# Altium PCB Audio-Streamer-Mainboard.PcbDoc (part 2 of 7)
Units mm, origin at the board's own origin, x right, y up, seen from the top; angles counter-clockwise.
Board outline 180 x 270 mm, 4 copper layers (Top Layer, VCC, GND, Bottom Layer), stack 1.62 mm thick; 653 components, 499 nets, 2423 pads, 1617 vias.
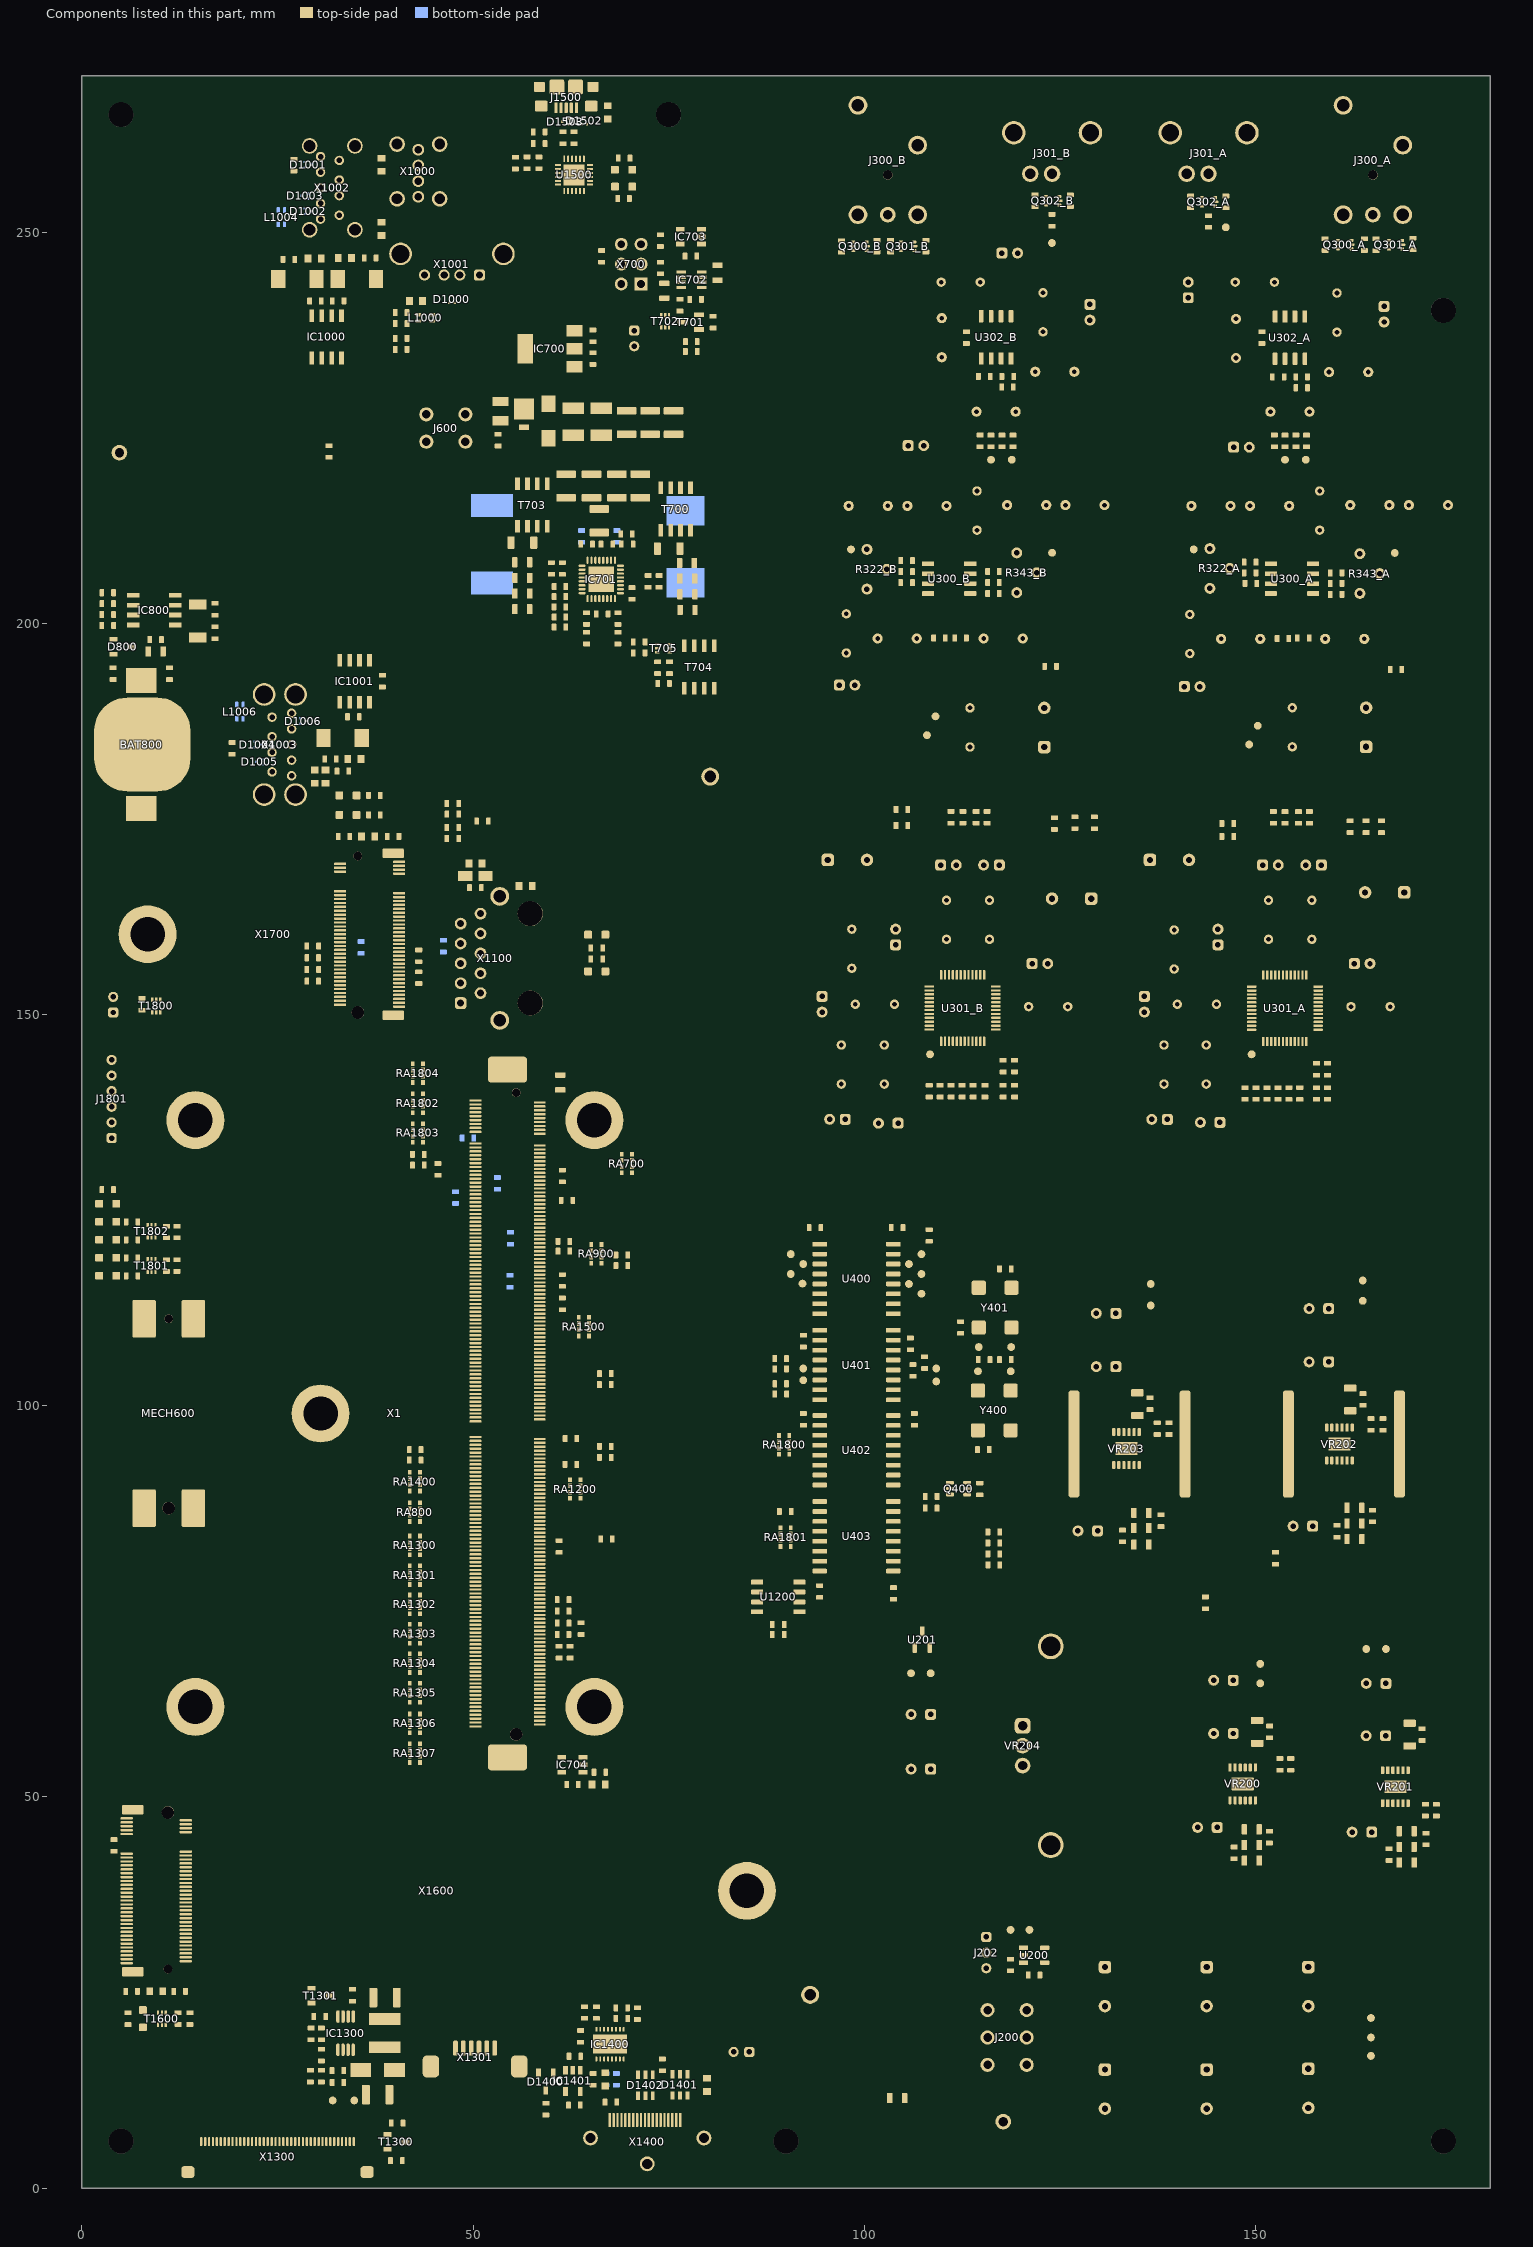
[diagram p4: the components of this part, seen from the top]

## Components (designator, comment, footprint, x,y, rotation, side; value= is the part's Value field where it differs from the comment) (continued)
TP302_A "Testpoint" TP 153.765,220.9 r90 top (schematic designator TP302)
TP302_B "Testpoint" TP 116.2,220.9 r90 top (schematic designator TP302)
TP303_A "Testpoint" TP 142.1,209.44 r90 top (schematic designator TP303)
TP303_B "Testpoint" TP 98.3,209.44 r90 top (schematic designator TP303)
TP304_A "Testpoint" TP 146.2,250.6 r90 top (schematic designator TP304)
TP304_B "Testpoint" TP 123.975,248.6 r90 top (schematic designator TP304)
TP305_A "Testpoint" TP 150.281,186.9 r90 top (schematic designator TP305)
TP305_B "Testpoint" TP 109.1,188.1 r90 top (schematic designator TP305)
TP306_A "Testpoint" TP 156.425,220.9 r90 top (schematic designator TP306)
TP306_B "Testpoint" TP 118.845,220.9 r90 top (schematic designator TP306)
TP307_A "Testpoint" TP 167.8,208.99 r90 top (schematic designator TP307)
TP307_B "Testpoint" TP 124,209 r90 top (schematic designator TP307)
TP400 "Testpoint" TP 90.6,119.37 r90 top
TP401 "Testpoint" TP 107.3,119.37 r90 top
TP402 "Testpoint" TP 92.2,118.1 r90 top
TP403 "Testpoint" TP 105.7,118.1 r90 top
TP404 "Testpoint" TP 90.6,116.83 r90 top
TP405 "Testpoint" TP 107.3,116.83 r90 top
TP406 "Testpoint" TP 92.1,115.6 r90 top
TP407 "Testpoint" TP 105.7,115.56 r90 top
TP408 "Testpoint" TP 107.3,114.3 r90 top
TP409 "Testpoint" TP 92.2,104.75 r90 top
TP410 "Testpoint" TP 109.2,104.75 r90 top
TP411 "Testpoint" TP 92.2,103.25 r90 top
TP412 "Testpoint" TP 109.2,103.1 r90 top
TP413 "Testpoint" TP 114.518,104.39 r180 top
TP414 "Testpoint" TP 118.708,104.39 r180 top
TP415 "Testpoint" TP 118.764,107.49 r0 top
TP416 "Testpoint" TP 114.625,107.49 r0 top
TP600 "5011" "T_TP-THT - EYE" 80.3,180.4 r0 top
TP601 "5011" "T_TP-THT - EYE" 93.075,24.7 r0 top
TP1300 "Testpoint" TP 34.8,11.205 r180 top
TP1301 "Testpoint" TP 32.05,11.205 r180 top
U200 "BD5250G-TR" SOT-23-5 121.69,29.76 r270 top
U201 "TLV810SDBZ" SOT-23 107.4,70.1 r0 top
U300_A "OPA1612" SOIC8 154.661,205.7 r0 top (schematic designator U300)
U300_B "OPA1612" SOIC8 110.84,205.7 r0 top (schematic designator U300)
U301_A "AK4493" LQFP48 151,146.55 r90 top (schematic designator U301)
U301_B "AK4493" LQFP48 109.819,146.568 r90 top (schematic designator U301)
U302_A "OPA1611" SOIC8 154.4,236.5 r90 top (schematic designator U302)
U302_B "OPA1611" SOIC8 116.84,236.54 r90 top (schematic designator U302)
U400 "Si8660BB-B-IU" SOIC16WIDE 94.3,120.64 r0 top
U401 "MAX14933" SOIC16WIDE 94.3,109.64 r0 top
U402 "Si8660BB-B-IU" SOIC16WIDE 94.3,98.75 r0 top
U403 "Si8660BB-B-IU" SOIC16WIDE 103.7,78.86 r180 top
U1200 "MAX9110" SOIC8 89,75.55 r180 top
U1500 "CP2105" QFN24 62.9,257.3 r270 top
VR200 "LT3045" MSOP12 146.736,49.548 r90 top
VR201 "LT3094" MSOP12 166.25,49.194 r90 top
VR202 "LT3045" MSOP12 159.1,92.995 r90 top
VR203 "LT3045" MSOP12 131.875,92.414 r90 top
VR204 "LD1086V33-DG" TO220-3 120.225,56.545 r270 top
X1 "CON-JAE-MM70-314-310B1-314-0.5mm" T_JAE_MM70-314-310B1 54.4,99 r270 top
X700 "TSW-103-01-G-D" T_Samtec_SSW-103-01-G-D 71.475,243.36 r90 top
X1000 "CON-Fci-73725-0110BLF" T_FCI_73725-0110BLF 43,272 r180 top
X1001 "CON-TE-1734366-3" 1734366-3 47.3,245.8 r180 top
X1002 "GSB4116341HR" GSB4116341HR 32,255.65 r270 top
X1003 "GSB412137CHR" GSB412137CHR 25.3,184.5 r90 top
X1100 "5-2301995-1" 5-2301995-4 57.3,157.167 r90 top
X1300 "XF2M-4015-1A" T_Omron_XF2M-4015-1A-MIRROR 25,4 r180 top
X1301 "52207-0633" T_MOLEX_52207-0633 50.25,17.9 r180 top
X1400 "0476591001" 0476591001 72.25,6.4 r0 top
X1600 "1-2199119-5" ? 9.5,38 r90 top
X1700 "2199119-8" 2199119-8-KEY-A-2230 36.65,160.25 r270 top
Y400 "C3391-22.5792" OSC_CRYSTEK 116.613,99.39 r90 top
Y401 "C3391-24.576" OSC_CRYSTEK 116.72,112.53 r270 top

## Footprints (in the part's own frame and the unit in brackets; to place one, negate y for a bottom-side part, rotate by r counter-clockwise, add the part's x,y. Pads: shape width x height; smd on the part's side, far side on the other; paste and mask are expansions set on the pad)
5-2301995-4 [mm] "Ethernet Connector vertiacal"
  rrect50% 1.5x1.5 hole 0.9: P1(-5.715,8.89)
  round 1.5 hole 0.9: P2(-4.445,6.35) P3(-3.175,8.89) P4(-1.905,6.35) P5(-0.635,8.89) P6(0.635,6.35) P7(1.905,8.89) P8(3.175,6.35) P9(4.445,8.89) P10(5.715,6.35)
  round 2.4 hole 1.6: S1(-7.925,3.89) S2(7.925,3.89)
  round 3.2 hole 3.2 unplated: ""(-5.715,0) ""(5.715,0)
  silkscreen extent -8.03,-5.85 8.03,10.85, body extent -8.03,-5.85 8.03,11.1, height 17
3266 [mm] "Bourns Trimpot"
  round 1.4 hole 0.7: 1(2.54,1.27) 2(0,-1.27) 3(-2.54,1.27)
  body extent -3.33,-2.2 3.38,2.3, height 7.93
1734366-3 [mm] "USB Header Vertical"
  rrect50% 1.428x1.428 hole 0.92: 1(-3.5,1.3)
  round 1.428 hole 0.92: 2(-1,1.3) 3(1,1.3) 4(3.5,1.3)
  round 2.9 hole 2.3: S1(-6.57,-1.41) S2(6.57,-1.41)
  silkscreen extent -6.6,-2.9 6.6,2.9, body extent -7.9,-3.56 7.9,3.56, height 15.03
1861933 [mm] "Phoenix Contacts 2 Pol - 3.5mm"
  round 1.8 hole 1.1: 1(0,0) 1(0,-5) 2(3.5,0) 2(3.5,-5)
  silkscreen extent -2.5,-8 6,3, body extent -2.5,-8 6,3, height 8
1861946 [mm] "Phoenix Contacts 3 Pol"
  round 1.8 hole 1.1: 1(0,0) 1(0,-5) 2(3.5,0) 2(3.5,-5) 3(7,0) 3(7,-5)
  silkscreen extent -2.5,-8 9.5,3, body extent -2.5,-8 9.5,3, height 8
2199119-8-KEY-A-2230 [mm] "M-2 Key A"
  rrect25% 1.2x2.75 smd: 0(-10.35,3.125) 0(10.35,3.125)
  rrect50% 0.3x1.55 smd: 1(-9.25,3.9) 2(-9,-3.65) 3(-8.75,3.9) 4(-8.5,-3.65) 5(-8.25,3.9) 6(-8,-3.65) 7(-7.75,3.9) 16(-5.5,-3.65) 17(-5.25,3.9) 18(-5,-3.65) 19(-4.75,3.9) 20(-4.5,-3.65) 21(-4.25,3.9) 22(-4,-3.65) 23(-3.75,3.9) 24(-3.5,-3.65) 25(-3.25,3.9) 26(-3,-3.65) 27(-2.75,3.9) 28(-2.5,-3.65) 29(-2.25,3.9) 30(-2,-3.65) 31(-1.75,3.9) 32(-1.5,-3.65) 33(-1.25,3.9) 34(-1,-3.65) 35(-0.75,3.9) 36(-0.5,-3.65) 37(-0.25,3.9) 38(0,-3.65) 39(0.25,3.9) 40(0.5,-3.65) 41(0.75,3.9) 42(1,-3.65) 43(1.25,3.9) 44(1.5,-3.65) 45(1.75,3.9) 46(2,-3.65) 47(2.25,3.9) 48(2.5,-3.65) 49(2.75,3.9) 50(3,-3.65) 51(3.25,3.9) 52(3.5,-3.65) 53(3.75,3.9) 54(4,-3.65) 55(4.25,3.9) 56(4.5,-3.65) 57(4.75,3.9) 58(5,-3.65) 59(5.25,3.9) 60(5.5,-3.65) 61(5.75,3.9) 62(6,-3.65) 63(6.25,3.9) 64(6.5,-3.65) 65(6.75,3.9) 66(7,-3.65) 67(7.25,3.9) 68(7.5,-3.65) 69(7.75,3.9) 70(8,-3.65) 71(8.25,3.9) 72(8.5,-3.65) 73(8.75,3.9) 74(9,-3.65) 75(9.25,3.9)
  round 1.1 hole 1.1 unplated: ""(-10,-1.375)
  round 7.4 / inner round 0 / far side round 0 hole 4.4 unplated: ""(0,-28.25)
  round 1.6 hole 1.6 unplated: ""(10,-1.375)
  silkscreen extent -11,-28.25 11,5.65, body extent -10.95,-31.25 10.95,4.5, height 3.09
0476591001 [mm] "HDMI Vertical"
  rrect50% 0.3x1.8 smd: 1(4.21,2.3) 2(3.71,2.3) 3(3.21,2.3) 4(2.71,2.3) 5(2.21,2.3) 6(1.71,2.3) 7(1.21,2.3) 8(0.71,2.3) 9(0.21,2.3) 10(-0.29,2.3) 11(-0.79,2.3) 12(-1.29,2.3) 13(-1.79,2.3) 14(-2.29,2.3) 15(-2.79,2.3) 16(-3.29,2.3) 17(-3.79,2.3) 18(-4.29,2.3) 19(-4.79,2.3)
  round 1.9 hole 1.3: S1(-7.25,0) S2(0,-3.3) S3(7.25,0)
  silkscreen extent -7.5,-4.7 7.5,2, body extent -8.75,-4.73 8.75,2.82, height 9.51
B2B-PH-K-S [mm] "JST PH plug"
  rrect50% 1.3x1.3 hole 0.7: 1(0,0)
  round 1.3 hole 0.7: 2(-2,0)
  silkscreen extent -3.95,-1.7 1.95,2.8, body extent -3.95,-1.7 1.95,2.8, height 6
B3B-PH-K-S [mm] "JST PH plug"
  rrect50% 1.3x1.3 hole 0.7: 1(0,0)
  round 1.3 hole 0.7: 2(-2,0) 3(-4,0)
  silkscreen extent -5.95,-1.7 1.95,2.8, body extent -5.95,-1.7 1.95,2.8, height 6
B6B-PH-K-S [mm] "JST PH plug"
  rrect50% 1.3x1.3 hole 0.7: 1(0,0)
  round 1.3 hole 0.7: 2(-2,0) 3(-4,0) 4(-6,0) 5(-8,0) 6(-10,0)
  silkscreen extent -11.95,-1.7 1.95,2.8, body extent -11.95,-1.7 1.95,2.8, height 6
CAP-5-11.5-2 [mm]
  round 1.4 hole 0.7: M(1,0)
  rrect50% 1.4x1.4 hole 0.7: P(-1,0)
  silkscreen extent -2.5,-2.5 2.5,2.5, body extent -2.5,-2.5 2.5,2.5, height 11
CAP-6.3-5.5-2.5 [mm]
  round 1.4 hole 0.7: M(1.25,0)
  rrect50% 1.4x1.4 hole 0.7: P(-1.25,0)
  silkscreen extent -3.15,-3.15 3.15,3.15, body extent -3.15,-3.15 3.15,3.15, height 5.5
CAP-6.3-11.2-2.5 [mm]
  round 1.4 hole 0.7: M(1.25,0)
  rrect50% 1.4x1.4 hole 0.7: P(-1.25,0)
  silkscreen extent -3.15,-3.15 3.15,3.15, body extent -3.15,-3.15 3.15,3.15, height 11.2
CAP-12.5-20-5 [mm]
  round 1.6 hole 0.8: M(2.5,0)
  rrect50% 1.6x1.6 hole 0.8: P(-2.5,0)
  silkscreen extent -6.25,-6.25 6.25,6.25, body extent -6.25,-6.25 6.25,6.25, height 20
CAP_WIMA_FKP2C [mm] "WIMA FKP2"
  round 1.3 hole 0.6: 1(-2.5,0) 2(2.5,0)
  silkscreen extent -3.6,-4.25 3.6,4.25, body extent -3.6,-4.25 3.6,4.25, height 10
CAP_WIMA_FKP2D [mm] "WIMA FKP2"
  round 1.3 hole 0.6: 1(-2.5,0) 2(2.5,0)
  silkscreen extent -3.6,-2.25 3.6,2.25, body extent -3.6,-2.25 3.6,2.25, height 6
CAP_WIMA_MKP4F [mm] "WIMA MKP4"
  round 1.2 hole 0.6: 1(-2.5,0) 2(2.5,0)
  silkscreen extent -3.6,-2.5 3.6,2.5, body extent -3.6,-2.5 3.6,2.5, height 10
CAPMP6032X280N [mm] "Cap Polarized 6032"
  rect 1.8x2.3 smd: 1(-2.45,0) 2(2.45,0)
  silkscreen extent -3.86,-1.6 -1.25,1.6, body extent -3.15,-1.75 3.15,1.75, height 2.8
DA-T263-201E [mm] "SMD Heatsink Ohmite"
  rrect50% 1.4x13.7 smd: 0(-7.1,0) 0(7.1,0)
  body extent -12.95,-6.35 12.95,6.35, height 12.56
DFN16 [mm]
  rrect50% 0.25x0.6 smd: 1(-1.75,-1.895) 2(-1.25,-1.895) 3(-0.75,-1.895) 4(-0.25,-1.895) 5(0.25,-1.895) 6(0.75,-1.895) 7(1.25,-1.895) 8(1.75,-1.895) 9(1.75,1.895) 10(1.25,1.895) 11(0.75,1.895) 12(0.25,1.895) 13(-0.25,1.895) 14(-0.75,1.895) 15(-1.25,1.895) 16(-1.75,1.895)
  rrect5% 4.35x2.45 smd: P(0,0)
  silkscreen extent -3.1,-2 2.5,2, body extent -2.5,-2 2.5,2, height 0.9
FA-T220-38E [mm] "Heatsink"
  round 3.3 hole 2.5: 0(-12.7,0) 0(12.7,0)
  silkscreen extent -8.5,-0.75 8.5,0.75, body extent -20.8,-12.45 20.8,12.45, height 38.14
GSB412137CHR [mm] "USB 3.1 vertical"
  round 1.208 hole 0.7: 1(3.5,1) 2(1,1) 3(-1,1) 4(-3.5,1) 5(-4,-1.5) 6(-2,-1.5) 7(0,-1.5) 8(2,-1.5) 9(4,-1.5)
  round 2.9 hole 2.3: S1(-6.4,2) S2(-6.4,-2) S3(6.4,-2) S4(6.4,2)
  silkscreen extent -7.4,-3.7 7.4,3.7, body extent -7.4,-3.7 7.4,3.7, height 14.48
GSB4116341HR [mm] "USB 3.1 side"
  round 1.208 hole 0.7: 1(3.5,0.9) 2(1,0.9) 3(-1,0.9) 4(-3.5,0.9) 5(-4,-1.5) 6(-2,-1.5) 7(0,-1.5) 8(2,-1.5) 9(4,-1.5)
  round 2 hole 1.5: S1(-5.35,2.9) S2(-5.35,-2.9) S3(5.35,-2.9) S4(5.35,2.9)
  silkscreen extent -9.3,-3.1 7.1,3.1, body extent -17.1,-3.75 7.1,3.75, height 14.6
HEADER_USB [mm]
  rrect50% 0.4x1.35 smd: 1(-1.3,2.675) 2(-0.65,2.675) 3(0,2.675) 4(0.65,2.675) 5(1.3,2.675)
  rrect25% 1.45x1.3 smd: 6(-3.425,0) 6(3.425,0)
  rrect25% 1.6x1.4 smd: 6(-3.2,2.45) 6(3.2,2.45)
  rrect25% 1.9x1.9 smd: 6(-1.2,0) 6(1.2,0)
  silkscreen extent -3.75,-1.35 3.75,2.85, body extent -4,-2.75 4,2.85, height 2.79
INDC1608X95N [mm]
  rect 0.87x1 smd: 1(-0.84,0) 2(0.84,0)
  body extent -0.87,-0.48 0.87,0.48, height 0.6
LED [mm]
  rrect25% 1x1 smd: A(-1.1,0) C(1.1,0)
  silkscreen extent -0.45,-0.7 1.35,0.9, body extent -1.15,-0.7 1.15,0.7, height 1.2
LQFP48 [mm]
  rrect50% 1.2x0.3 smd: 1(0,0) 2(0,-0.5) 3(0,-1) 4(0,-1.5) 5(0,-2) 6(0,-2.5) 7(0,-3) 8(0,-3.5) 9(0,-4) 10(0,-4.5) 11(0,-5) 12(0,-5.5) 25(8.5,-5.5) 26(8.5,-5) 27(8.5,-4.5) 28(8.5,-4) 29(8.5,-3.5) 30(8.5,-3) 31(8.5,-2.5) 32(8.5,-2) 33(8.5,-1.5) 34(8.5,-1) 35(8.5,-0.5) 36(8.5,0)
  rrect50% 0.3x1.2 smd: 13(1.5,-7) 14(2,-7) 15(2.5,-7) 16(3,-7) 17(3.5,-7) 18(4,-7) 19(4.5,-7) 20(5,-7) 21(5.5,-7) 22(6,-7) 23(6.5,-7) 24(7,-7) 37(7,1.5) 38(6.5,1.5) 39(6,1.5) 40(5.5,1.5) 41(5,1.5) 42(4.5,1.5) 43(4,1.5) 44(3.5,1.5) 45(3,1.5) 46(2.5,1.5) 47(2,1.5) 48(1.5,1.5)
  silkscreen extent 0.2,-6.25 7.75,1.3, body extent -0.25,-7.25 8.75,1.76, height 1.5
MSOP12 [mm]
  rrect50% 1x0.42 smd: 1(0,0) 2(0,-0.65) 3(0,-1.3) 4(0,-1.95) 5(0,-2.6) 6(0,-3.25) 7(4.211,-3.25) 8(4.211,-2.6) 9(4.211,-1.95) 10(4.211,-1.3) 11(4.211,-0.65) 12(4.211,0)
  rrect10% 1.651x2.845 smd: 13(2.105,-1.625)
  silkscreen extent -0.1,-3.62 3.61,0.8, body extent -0.35,-3.64 4.55,0.4, height 1.09
NC3MBH [mm] "XLR Connector"
  round 2.4 hole 1.6: 0(-3.81,-3.81) 0(3.81,-8.89) 1(3.81,-17.78) 2(-3.81,-17.78)
  round 2 hole 1.2: 3(0,-17.78)
  round 1.2 hole 1.2 unplated: ""(0,-12.7)
  silkscreen extent -11.5,-19.5 11.5,-0.1, body extent -12.5,-19.5 12.85,2.7, height 25.4
OSC_CRYSTEK [mm]
  rrect25% 1.8x1.8 smd: 1(-2.54,-2.095) 2(2.54,-2.095) 3(2.54,2.095) 4(-2.54,2.095)
  silkscreen extent -4.3,-2.6 3.6,2.6, body extent -3.6,-2.6 3.6,2.6, height 1.8
QFN24 [mm]
  rrect50% 0.8x0.25 smd: 1(-2.05,1.25) 2(-2.05,0.75) 3(-2.05,0.25) 4(-2.05,-0.25) 5(-2.05,-0.75) 6(-2.05,-1.25) 13(2.05,-1.25) 14(2.05,-0.75) 15(2.05,-0.25) 16(2.05,0.25) 17(2.05,0.75) 18(2.05,1.25)
  rrect50% 0.25x0.8 smd: 7(-1.25,-2.05) 8(-0.75,-2.05) 9(-0.25,-2.05) 10(0.25,-2.05) 11(0.75,-2.05) 12(1.25,-2.05) 19(1.25,2.05) 20(0.75,2.05) 21(0.25,2.05) 22(-0.25,2.05) 23(-0.75,2.05) 24(-1.25,2.05)
  rect 2.68x2.68 smd: 25(0,0)
  silkscreen extent -2.4,-2 2,2.4, body extent -2,-2 2,2, height 0.8
QFN50P500X500X100-33N [mm]
  oval 0.9x0.3 smd: 1(-2.45,1.75) 2(-2.45,1.25) 3(-2.45,0.75) 4(-2.45,0.25) 5(-2.45,-0.25) 6(-2.45,-0.75) 7(-2.45,-1.25) 8(-2.45,-1.75) 17(2.45,-1.75) 18(2.45,-1.25) 19(2.45,-0.75) 20(2.45,-0.25) 21(2.45,0.25) 22(2.45,0.75) 23(2.45,1.25) 24(2.45,1.75)
  oval 0.3x0.9 smd: 9(-1.75,-2.45) 10(-1.25,-2.45) 11(-0.75,-2.45) 12(-0.25,-2.45) 13(0.25,-2.45) 14(0.75,-2.45) 15(1.25,-2.45) 16(1.75,-2.45) 25(1.75,2.45) 26(1.25,2.45) 27(0.75,2.45) 28(0.25,2.45) 29(-0.25,2.45) 30(-0.75,2.45) 31(-1.25,2.45) 32(-1.75,2.45)
  rect 3.25x3.25 smd paste-0.595: 33(0,0)
  silkscreen extent -3.62,-2.5 2.5,2.5, body extent -2.58,-2.58 2.58,2.58, height 1
RCA-Plug [mm] "43-028/29 RCA Plug"
  round 3 hole 2.2: 0(-4.9,0) 0(4.9,0)
  round 2.1 hole 1.3: 1(0,-5.25) 2(-2.8,-5.25)
  silkscreen extent -7.25,-6.3 7.25,7.3, body extent -7.25,-6.3 7.25,27.7, height 14.65
SMD0603CAP [mm]
  rrect25% 0.6x0.9 smd: 1(-0.75,0) 2(0.75,0)
  body extent -0.75,-0.4 0.75,0.4, height 0.45
SMD0603RES [mm]
  rrect25% 0.6x0.9 smd: 1(-0.75,0) 2(0.75,0)
  body extent -0.75,-0.4 0.75,0.4, height 0.45
SMD0805CAP [mm]
  rrect25% 0.7x1.3 smd: 1(-0.95,0) 2(0.95,0)
  body extent -1,-0.6 1,0.6, height 0.9
SMD0805RES [mm]
  rrect25% 0.7x1.3 smd: 1(-0.95,0) 2(0.95,0)
  body extent -1,-0.6 1,0.6, height 0.45
SMD1206CAP [mm]
  rrect25% 0.9x1.6 smd: 1(-1.45,0) 2(1.45,0)
  silkscreen extent -0.6,-0.8 0.6,0.8, body extent -1.6,-0.8 1.6,0.8, height 1
SMD1206RES [mm]
  rrect25% 0.9x1.6 smd: 1(-1.45,0) 2(1.45,0)
  silkscreen extent -0.6,-0.8 0.6,0.8, body extent -1.6,-0.8 1.6,0.8, height 0.55
SMD1210CAP [mm]
  rrect25% 1x2.5 smd: 1(-1.5,0) 2(1.5,0)
  silkscreen extent -0.6,-1.25 0.6,1.25, body extent -1.6,-1.25 1.6,1.25, height 1.5
SOIC8 [mm] "SOIC-8"
  rrect25% 1.55x0.6 smd: 1(-2.7,1.905) 2(-2.7,0.635) 3(-2.7,-0.635) 4(-2.7,-1.905) 5(2.7,-1.905) 6(2.7,-0.635) 7(2.7,0.635) 8(2.7,1.905)
  silkscreen extent -2.79,-2.54 1.78,3, body extent -3.1,-2.5 3.1,2.5, height 1.76
SOIC16WIDE [mm] "SOIC-8 208mil"
  rrect50% 1.9x0.6 smd: 1(0,0) 2(0,-1.27) 3(0,-2.54) 4(0,-3.81) 5(0,-5.08) 6(0,-6.35) 7(0,-7.62) 8(0,-8.89) 9(9.4,-8.89) 10(9.4,-7.62) 11(9.4,-6.35) 12(9.4,-5.08) 13(9.4,-3.81) 14(9.4,-2.54) 15(9.4,-1.27) 16(9.4,0)
  silkscreen extent 0,-9.59 8.45,1.1, body extent -0.38,-9.48 9.78,0.6, height 1.97
SOIC127P600X173-8N [mm]
  rect 1.6x0.6 smd: 1(-2.7,1.905) 2(-2.7,0.635) 3(-2.7,-0.635) 4(-2.7,-1.905) 5(2.7,-1.905) 6(2.7,-0.635) 7(2.7,0.635) 8(2.7,1.905)
  silkscreen extent -3.29,-2.45 1.58,2.61, body extent -2,-2.47 2,2.47, height 1.75
SOLDER_PIN [mm] "Solder Pin"
  round 2 hole 1.2: 1(0,0)
  silkscreen extent -1.4,-1.4 1.4,1.4
SOT95P230X110-3N [mm]
  rect 1x0.6 smd: 1(-1.15,0.95) 2(-1.15,-0.95) 3(1.15,0)
  silkscreen extent -1.4,-1.45 0.33,1.67, body extent -0.7,-1.5 0.7,1.5, height 1.12
SOT95P237X112-3N [mm] "SOT23, 3-Leads, Body 3.0x2.6mm (max), Pitch 0.95mm, IPC Medium Density"
  rect 1.3x0.6 smd: 1(-1.05,0.95) 2(-1.05,-0.95) 3(1.05,0)
  silkscreen extent -1.03,-1.5 0.7,1.92, body extent -0.7,-1.52 0.7,1.52, height 1.12
SOT95P279X142-5N [mm]
  rect 1.1x0.6 smd: 1(-1.35,0.95) 2(-1.35,0) 3(-1.35,-0.95) 4(1.35,-0.95) 5(1.35,0.95)
  silkscreen extent -1.61,-1.45 0.48,1.73, body extent -0.9,-1.52 0.9,1.52, height 1.1
SOT-23 [mm]
  rrect50% 0.6x1.3 smd: 1(-0.95,-1.05) 2(0.95,-1.05) 3(0,1.05)
  silkscreen extent -1.45,-0.63 1.45,0.67, body extent -1.46,-1.27 1.46,1.27, height 0.98
SOT-23-5 [mm] "SOT-23-5"
  rrect50% 0.6x1.2 smd: 1(-0.95,-1.35) 2(0,-1.35) 3(0.95,-1.35) 4(0.95,1.35) 5(-0.95,1.35)
  silkscreen extent -1.45,-0.6 1.45,0.6, body extent -1.45,-1.4 1.45,1.4, height 1.2
SOT-363-6 [mm] "SOT-363-6"
  rrect50% 0.5x1 smd: 1(-0.75,-1.1) 3(0.75,-1.1) 4(0.75,1.1) 6(-0.75,1.1)
  rrect50% 0.4x1 smd: 2(0,-1.1) 5(0,1.1)
  silkscreen extent -1.6,-1.1 1.1,0.4, body extent -1.1,-1.2 1.1,1.2, height 1.1
SOT-666 [mm] "SOT-666"
  rrect50% 0.4x0.5 smd: 1(-0.537,-0.85) 3(0.537,-0.85) 4(0.537,0.85) 6(-0.537,0.85)
  rrect50% 0.3x0.65 smd: 2(0,-0.925) 5(0,0.925)
  silkscreen extent -1.3,-0.9 0.8,0.3, body extent -0.8,-0.8 0.8,0.8, height 0.6
SOTFL50P160X60-6N [mm]
  rect 0.57x0.3 smd: 1(-0.79,0.5) 2(-0.79,0) 3(-0.79,-0.5) 4(0.79,-0.5) 5(0.79,0) 6(0.79,0.5)
  silkscreen extent -0.99,-0.8 0,0.97, body extent -0.65,-0.85 0.65,0.85, height 0.6
T_CAPMP3216X180N [mm]
  rect 1.8x1.25 smd: 1(-1.3,0) 2(1.3,0)
  silkscreen extent -2,-0.7 0,1.02, body extent -1.6,-0.8 1.6,0.8, height 1.6
T_DO-214-AC [mm] "Schottky Diode"
  rect 2.65x1.75 smd: 1(2.15,0) 2(-2.15,0)
  silkscreen extent -0.64,-1.52 0.64,1.52, body extent -2.74,-1.4 2.74,1.4, height 1.14
T_FCI_73725-0110BLF [mm] "USB Type A Connector Vertical"
  round 1.5 hole 0.95: 1(0,11.49) 2(0,13.49) 3(0,15.49) 4(0,17.49)
  round 2 hole 1.37: S1(2.72,10.76) S2(2.72,17.76) S3(-2.72,17.76) S4(-2.72,10.76)
  silkscreen extent -3.05,0 3.05,19.15, body extent -3.54,-0.76 3.58,18.5, height 14.57
T_INDM5050 [mm] "Shieled Inductor 5mm X 5mm X 4mm"
  rect 1.5x4 smd: 1(-1.8,0) 2(1.8,0)
  silkscreen extent -2.79,-2.67 2.79,2.67, body extent -2.49,-2.5 2.5,2.5, height 4
T_INDM110100 [mm] "Inductor shielded, 11mm x 10mm (Bourns, SRP1038A; Vishay, IHLP4040DZ-8A)"
  rect 4.86x3.8 smd: 1(0,-4.6) 2(0,4.6)
  silkscreen extent -5.52,-5.52 5.52,5.52, body extent -5,-5.2 5,5.2, height 3.75
T_INDM120120X80N [mm]
  rect 5.4x2.9 smd: 1(0,-4.95) 2(0,4.95)
  silkscreen extent -6.2,-6.2 6.2,6.2, body extent -6,-6 6,6, height 6
T_JAE_MM70-314-310B1 [mm] "MXM 3.0 Connector"
  rrect50% 0.3x1.5 smd: 1(-40,-4.1) 2(-39.75,4.1) 3(-39.5,-4.1) 4(-39.25,4.1) 5(-39,-4.1) 6(-38.75,4.1) 7(-38.5,-4.1) 8(-38.25,4.1) 9(-38,-4.1) 10(-37.75,4.1) 11(-37.5,-4.1) 12(-37.25,4.1) 13(-37,-4.1) 14(-36.75,4.1) 15(-36.5,-4.1) 16(-36.25,4.1) 17(-36,-4.1) 18(-35.75,4.1) 23(-34.5,-4.1) 24(-34.25,4.1) 25(-34,-4.1) 26(-33.75,4.1) 27(-33.5,-4.1) 28(-33.25,4.1) 29(-33,-4.1) 30(-32.75,4.1) 31(-32.5,-4.1) 32(-32.25,4.1) 33(-32,-4.1) 34(-31.75,4.1) 35(-31.5,-4.1) 36(-31.25,4.1) 37(-31,-4.1) 38(-30.75,4.1) 39(-30.5,-4.1) 40(-30.25,4.1) 41(-30,-4.1) 42(-29.75,4.1) 43(-29.5,-4.1) 44(-29.25,4.1) 45(-29,-4.1) 46(-28.75,4.1) 47(-28.5,-4.1) 48(-28.25,4.1) 49(-28,-4.1) 50(-27.75,4.1) 51(-27.5,-4.1) 52(-27.25,4.1) 53(-27,-4.1) 54(-26.75,4.1) 55(-26.5,-4.1) 56(-26.25,4.1) 57(-26,-4.1) 58(-25.75,4.1) 59(-25.5,-4.1) 60(-25.25,4.1) 61(-25,-4.1) 62(-24.75,4.1) 63(-24.5,-4.1) 64(-24.25,4.1) 65(-24,-4.1) 66(-23.75,4.1) 67(-23.5,-4.1) 68(-23.25,4.1) 69(-23,-4.1) 70(-22.75,4.1) 71(-22.5,-4.1) 72(-22.25,4.1) 73(-22,-4.1) 74(-21.75,4.1) 75(-21.5,-4.1) 76(-21.25,4.1) 77(-21,-4.1) 78(-20.75,4.1) 79(-20.5,-4.1) 80(-20.25,4.1) 81(-20,-4.1) 82(-19.75,4.1) 83(-19.5,-4.1) 84(-19.25,4.1) 85(-19,-4.1) 86(-18.75,4.1) 87(-18.5,-4.1) 88(-18.25,4.1) 89(-18,-4.1) 90(-17.75,4.1) 91(-17.5,-4.1) 92(-17.25,4.1) 93(-17,-4.1) 94(-16.75,4.1) 95(-16.5,-4.1) 96(-16.25,4.1) 97(-16,-4.1) 98(-15.75,4.1) 99(-15.5,-4.1) 100(-15.25,4.1) 101(-15,-4.1) 102(-14.75,4.1) 103(-14.5,-4.1) 104(-14.25,4.1) 105(-14,-4.1) 106(-13.75,4.1) 107(-13.5,-4.1) 108(-13.25,4.1) 109(-13,-4.1) 110(-12.75,4.1) 111(-12.5,-4.1) 112(-12.25,4.1) 113(-12,-4.1) 114(-11.75,4.1) 115(-11.5,-4.1) 116(-11.25,4.1) 117(-11,-4.1) 118(-10.75,4.1) 119(-10.5,-4.1) 120(-10.25,4.1) 121(-10,-4.1) 122(-9.75,4.1) 123(-9.5,-4.1) 124(-9.25,4.1) 125(-9,-4.1) 126(-8.75,4.1) 127(-8.5,-4.1) 128(-8.25,4.1) 129(-8,-4.1) 130(-7.75,4.1) 131(-7.5,-4.1) 132(-7.25,4.1) 133(-7,-4.1) 134(-6.75,4.1) 135(-6.5,-4.1) 136(-6.25,4.1) 137(-6,-4.1) 138(-5.75,4.1) 139(-5.5,-4.1) 140(-5.25,4.1) 141(-5,-4.1) 142(-4.75,4.1) 143(-4.5,-4.1) 144(-4.25,4.1) 145(-4,-4.1) 146(-3.75,4.1) 147(-3.5,-4.1) 148(-3.25,4.1) 149(-3,-4.1) 150(-2.75,4.1) 151(-2.5,-4.1) 152(-2.25,4.1) 153(-2,-4.1) 154(-1.75,4.1) 155(-1.5,-4.1) 156(-1.25,4.1) 157(-1,-4.1) 158(-0.75,4.1) 159(-0.5,-4.1) 160(-0.25,4.1) 161(0,-4.1) 162(0.25,4.1) 163(0.5,-4.1) 164(0.75,4.1) 165(1,-4.1) 173(3,-4.1) 174(3.25,4.1) 175(3.5,-4.1) 176(3.75,4.1) 177(4,-4.1) 178(4.25,4.1) 179(4.5,-4.1) 180(4.75,4.1) 181(5,-4.1) 182(5.25,4.1) 183(5.5,-4.1) 184(5.75,4.1) 185(6,-4.1) 186(6.25,4.1) 187(6.5,-4.1) 188(6.75,4.1) 189(7,-4.1) 190(7.25,4.1) 191(7.5,-4.1) 192(7.75,4.1) 193(8,-4.1) 194(8.25,4.1) 195(8.5,-4.1) 196(8.75,4.1) 197(9,-4.1) 198(9.25,4.1) 199(9.5,-4.1) 200(9.75,4.1) 201(10,-4.1) 202(10.25,4.1) 203(10.5,-4.1) 204(10.75,4.1) 205(11,-4.1) 206(11.25,4.1) 207(11.5,-4.1) 208(11.75,4.1) 209(12,-4.1) 210(12.25,4.1) 211(12.5,-4.1) 212(12.75,4.1) 213(13,-4.1) 214(13.25,4.1) 215(13.5,-4.1) 216(13.75,4.1) 217(14,-4.1) 218(14.25,4.1) 219(14.5,-4.1) 220(14.75,4.1) 221(15,-4.1) 222(15.25,4.1) 223(15.5,-4.1) 224(15.75,4.1) 225(16,-4.1) 226(16.25,4.1) 227(16.5,-4.1) 228(16.75,4.1) 229(17,-4.1) 230(17.25,4.1) 231(17.5,-4.1) 232(17.75,4.1) 233(18,-4.1) 234(18.25,4.1) 235(18.5,-4.1) 236(18.75,4.1) 237(19,-4.1) 238(19.25,4.1) 239(19.5,-4.1) 240(19.75,4.1) 241(20,-4.1) 242(20.25,4.1) 243(20.5,-4.1) 244(20.75,4.1) 245(21,-4.1) 246(21.25,4.1) 247(21.5,-4.1) 248(21.75,4.1) 249(22,-4.1) 250(22.25,4.1) 251(22.5,-4.1) 252(22.75,4.1) 253(23,-4.1) 254(23.25,4.1) 255(23.5,-4.1) 256(23.75,4.1) 257(24,-4.1) 258(24.25,4.1) 259(24.5,-4.1) 260(24.75,4.1) 261(25,-4.1) 262(25.25,4.1) 263(25.5,-4.1) 264(25.75,4.1) 265(26,-4.1) 266(26.25,4.1) 267(26.5,-4.1) 268(26.75,4.1) 269(27,-4.1) 270(27.25,4.1) 271(27.5,-4.1) 272(27.75,4.1) 273(28,-4.1) 274(28.25,4.1) 275(28.5,-4.1) 276(28.75,4.1) 277(29,-4.1) 278(29.25,4.1) 279(29.5,-4.1) 280(29.75,4.1) 281(30,-4.1) 282(30.25,4.1) 283(30.5,-4.1) 284(30.75,4.1) 285(31,-4.1) 286(31.25,4.1) 287(31.5,-4.1) 288(31.75,4.1) 289(32,-4.1) 290(32.25,4.1) 291(32.5,-4.1) 292(32.75,4.1) 293(33,-4.1) 294(33.25,4.1) 295(33.5,-4.1) 296(33.75,4.1) 297(34,-4.1) 298(34.25,4.1) 299(34.5,-4.1) 300(34.75,4.1) 301(35,-4.1) 302(35.25,4.1) 303(35.5,-4.1) 304(35.75,4.1) 305(36,-4.1) 306(36.25,4.1) 307(36.5,-4.1) 308(36.75,4.1) 309(37,-4.1) 310(37.25,4.1) 311(37.5,-4.1) 312(37.75,4.1) 313(38,-4.1) 314(38.25,4.1) 315(38.5,-4.1) 316(38.75,4.1) 317(39,-4.1) 318(39.25,4.1) 319(39.5,-4.1) 320(39.75,4.1) 321(40,-4.1)